# Altium PCB TempdevAmmy0820.PcbDoc (part 1 of 3) (continued)
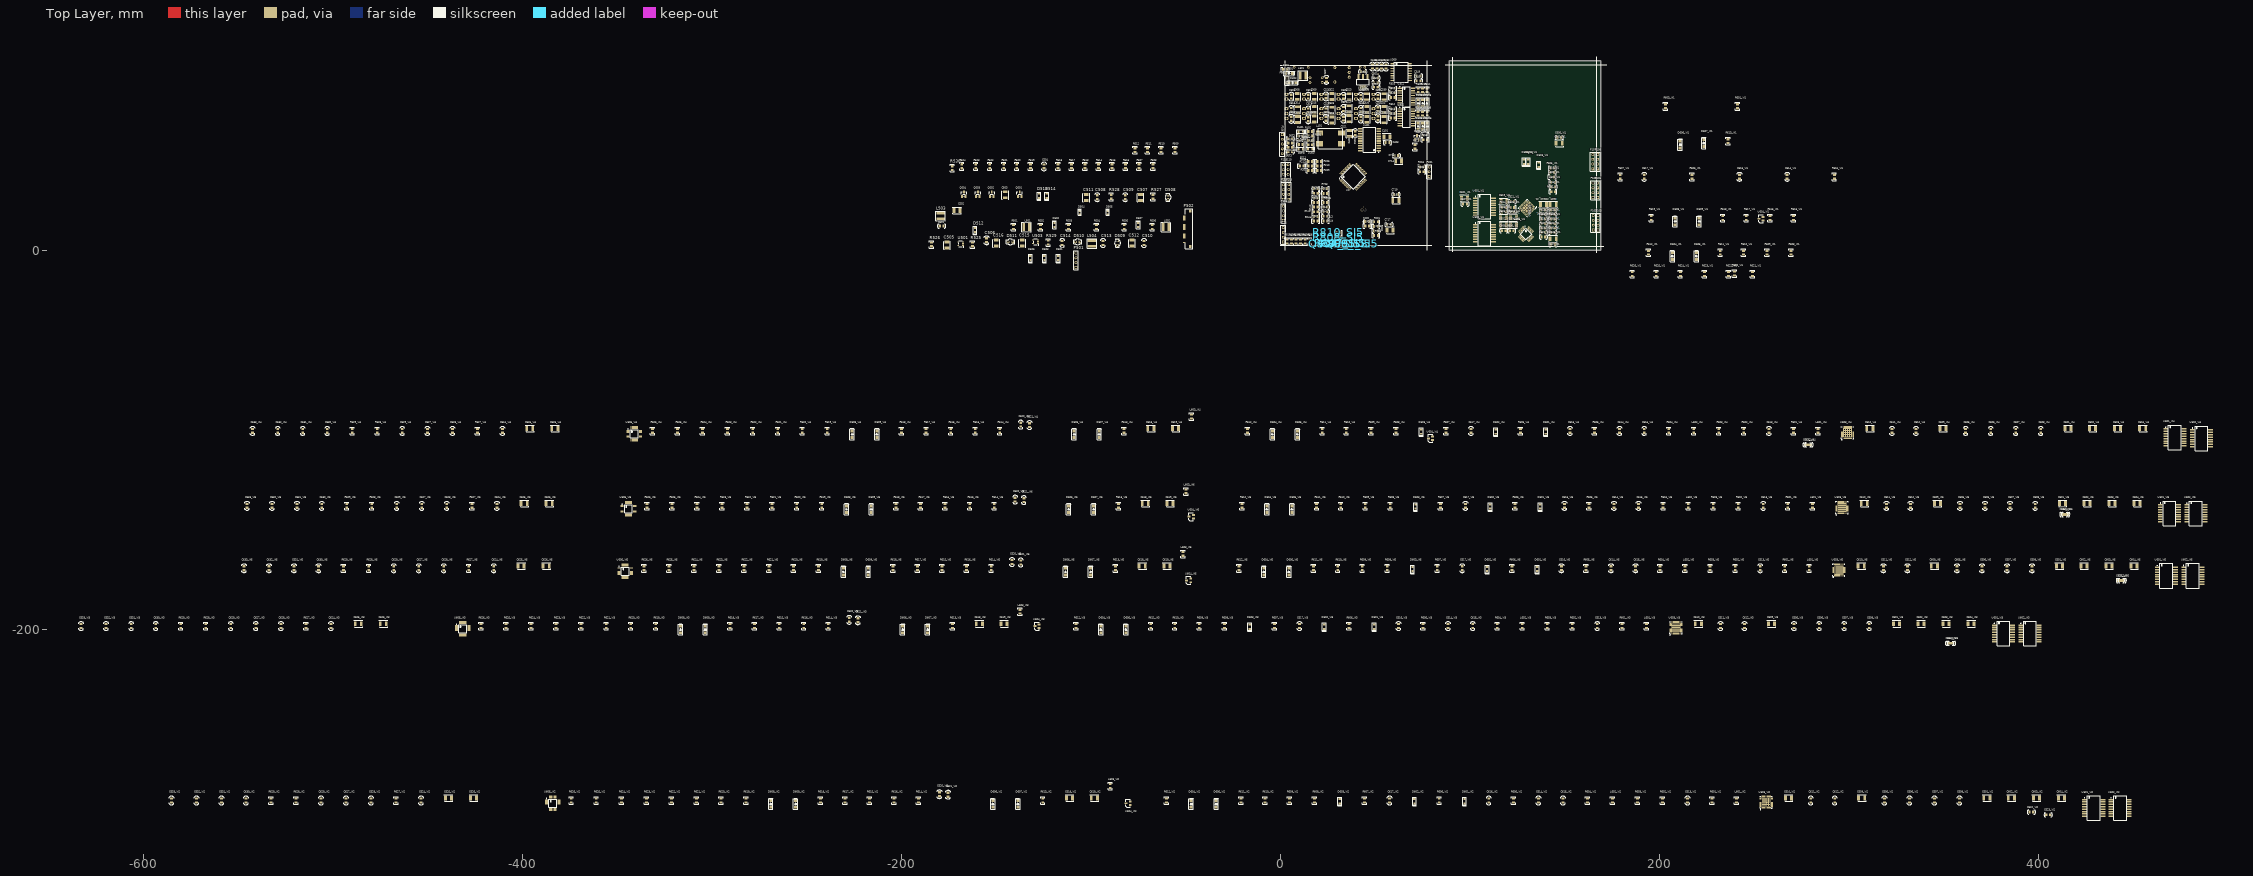
[diagram p0: Top Layer view]
## Components (designator, comment, footprint, x,y, rotation, side; value= is the part's Value field where it differs from the comment) (continued)
C609_VI1 "T494B476K025ATAUTO" CB 145.567,24.13 r270 top value=47uF (schematic designator C609)
C609_VI2 "T494B476K025ATAUTO" CB 305.181,-289.179 r90 top value=47uF (schematic designator C609)
C609_VI3 "T494B476K025ATAUTO" CB 257.556,-197.104 r90 top value=47uF (schematic designator C609)
C609_VI4 "T494B476K025ATAUTO" CB 348.082,-94.107 r90 top value=47uF (schematic designator C609)
C609_VI5 "T494B476K025ATAUTO" CB 343.535,-166.624 r90 top value=47uF (schematic designator C609)
C609_VI6 "T494B476K025ATAUTO" CB 345.145,-133.67 r90 top value=47uF (schematic designator C609)
C610_VI1 "T494B476K025ATAUTO" CB 140.462,24.13 r270 top value=47uF (schematic designator C610)
C610_VI2 "T494B476K025ATAUTO" CB 266.573,-289.179 r90 top value=47uF (schematic designator C610)
C610_VI3 "T494B476K025ATAUTO" CB 218.948,-197.104 r90 top value=47uF (schematic designator C610)
C610_VI4 "T494B476K025ATAUTO" CB 309.474,-94.107 r90 top value=47uF (schematic designator C610)
C610_VI5 "T494B476K025ATAUTO" CB 304.927,-166.624 r90 top value=47uF (schematic designator C610)
C610_VI6 "T494B476K025ATAUTO" CB 306.537,-133.67 r90 top value=47uF (schematic designator C610)
C611_VI1 "CC0805MRX7R9BB104" 0805C 138.811,21.209 r0 top value=0.1uF (schematic designator C611)
C611_VI2 "CC0805MRX7R9BB104" 0805C 279.908,-290.449 r90 top value=0.1uF (schematic designator C611)
C611_VI3 "CC0805MRX7R9BB104" 0805C 232.283,-198.374 r90 top value=0.1uF (schematic designator C611)
C611_VI4 "CC0805MRX7R9BB104" 0805C 322.809,-95.377 r90 top value=0.1uF (schematic designator C611)
C611_VI5 "CC0805MRX7R9BB104" 0805C 318.262,-167.894 r90 top value=0.1uF (schematic designator C611)
C611_VI6 "CC0805MRX7R9BB104" 0805C 319.872,-134.94 r90 top value=0.1uF (schematic designator C611)
C612_VI1 "CC0805MRX7R9BB104" 0805C 143.78,21.209 r180 top value=0.1uF (schematic designator C612)
C612_VI2 "CC0805MRX7R9BB104" 0805C 292.608,-290.449 r90 top value=0.1uF (schematic designator C612)
C612_VI3 "CC0805MRX7R9BB104" 0805C 244.983,-198.374 r90 top value=0.1uF (schematic designator C612)
C612_VI4 "CC0805MRX7R9BB104" 0805C 335.509,-95.377 r90 top value=0.1uF (schematic designator C612)
C612_VI5 "CC0805MRX7R9BB104" 0805C 330.962,-167.894 r90 top value=0.1uF (schematic designator C612)
C612_VI6 "CC0805MRX7R9BB104" 0805C 332.572,-134.94 r90 top value=0.1uF (schematic designator C612)
C613_VI1 "" 0805C 143.907,33.274 r180 top value=2.2uF (schematic designator C613)
C613_VI2 "" 0805C 214.884,-290.449 r90 top value=2.2uF (schematic designator C613)
C613_VI3 "" 0805C 167.259,-198.374 r90 top value=2.2uF (schematic designator C613)
C613_VI4 "" 0805C 257.785,-95.377 r90 top value=2.2uF (schematic designator C613)
C613_VI5 "" 0805C 253.238,-167.894 r90 top value=2.2uF (schematic designator C613)
C613_VI6 "" 0805C 254.848,-134.94 r90 top value=2.2uF (schematic designator C613)
C614_VI1 "" 0805C 267.462,38.719 r90 top value=22nF (schematic designator C614)
C614_VI2 "" 0805C 136.144,-290.449 r90 top value=22nF (schematic designator C614)
C614_VI3 "" 0805C 88.519,-198.374 r90 top value=22nF (schematic designator C614)
C614_VI4 "" 0805C 179.045,-95.377 r90 top value=22nF (schematic designator C614)
C614_VI5 "" 0805C 174.498,-167.894 r90 top value=22nF (schematic designator C614)
C614_VI6 "" 0805C 176.108,-134.94 r90 top value=22nF (schematic designator C614)
C615_VI1 "" 0805C 143.51,41.021 r180 top value=2.2uF (schematic designator C615)
C615_VI2 "" 0805C 149.098,-290.449 r90 top value=2.2uF (schematic designator C615)
C615_VI3 "" 0805C 101.473,-198.374 r90 top value=2.2uF (schematic designator C615)
C615_VI4 "" 0805C 191.999,-95.377 r90 top value=2.2uF (schematic designator C615)
C615_VI5 "" 0805C 187.452,-167.894 r90 top value=2.2uF (schematic designator C615)
C615_VI6 "" 0805C 189.062,-134.94 r90 top value=2.2uF (schematic designator C615)
C616_VI1 "" 0805C 242.316,38.719 r90 top value=NC (schematic designator C616)
C616_VI2 "" 0805C 109.982,-290.449 r90 top value=NC (schematic designator C616)
C616_VI3 "" 0805C 62.357,-198.374 r90 top value=NC (schematic designator C616)
C616_VI4 "" 0805C 152.883,-95.377 r90 top value=NC (schematic designator C616)
C616_VI5 "" 0805C 148.336,-167.894 r90 top value=NC (schematic designator C616)
C616_VI6 "" 0805C 149.946,-134.94 r90 top value=NC (schematic designator C616)
C617_VI1 "" 0805C 192.024,38.719 r90 top value=4nF (schematic designator C617)
C617_VI2 "" 0805C 57.658,-290.449 r90 top value=4nF (schematic designator C617)
C617_VI3 "" 0805C 10.033,-198.374 r90 top value=4nF (schematic designator C617)
C617_VI4 "" 0805C 100.559,-95.377 r90 top value=4nF (schematic designator C617)
C617_VI5 "" 0805C 96.012,-167.894 r90 top value=4nF (schematic designator C617)
C617_VI6 "" 0805C 97.622,-134.94 r90 top value=4nF (schematic designator C617)
C618_VI1 "T494B106M006AHAUTO" CB 124.612,17.145 r270 top value=10uF (schematic designator C618)
C618_VI2 "T494B106M006AHAUTO" CB -112.903,-289.179 r90 top value=10uF (schematic designator C618)
C618_VI3 "T494B106M006AHAUTO" CB -160.528,-197.104 r90 top value=10uF (schematic designator C618)
C618_VI4 "T494B106M006AHAUTO" CB -70.002,-94.107 r90 top value=10uF (schematic designator C618)
C618_VI5 "T494B106M006AHAUTO" CB -74.549,-166.624 r90 top value=10uF (schematic designator C618)
C618_VI6 "T494B106M006AHAUTO" CB -72.939,-133.67 r90 top value=10uF (schematic designator C618)
C619_VI1 "T494B106M006AHAUTO" CB 119.532,25.654 r270 top value=10uF (schematic designator C619)
C619_VI2 "T494B106M006AHAUTO" CB -99.822,-289.179 r90 top value=10uF (schematic designator C619)
C619_VI3 "T494B106M006AHAUTO" CB -147.447,-197.104 r90 top value=10uF (schematic designator C619)
C619_VI4 "T494B106M006AHAUTO" CB -56.921,-94.107 r90 top value=10uF (schematic designator C619)
C619_VI5 "T494B106M006AHAUTO" CB -61.468,-166.624 r90 top value=10uF (schematic designator C619)
C619_VI6 "T494B106M006AHAUTO" CB -59.858,-133.67 r90 top value=10uF (schematic designator C619)
C620_VI1 "CC0805MRX7R9BB104" 0805C 122.428,20.193 r180 top value=0.1uF (schematic designator C620)
C620_VI2 "CC0805MRX7R9BB104" 0805C -179.959,-287.147 r90 top value=0.1uF (schematic designator C620)
C620_VI3 "CC0805MRX7R9BB104" 0805C -227.584,-195.072 r90 top value=0.1uF (schematic designator C620)
C620_VI4 "CC0805MRX7R9BB104" 0805C -137.058,-92.075 r90 top value=0.1uF (schematic designator C620)
C620_VI5 "CC0805MRX7R9BB104" 0805C -141.605,-164.592 r90 top value=0.1uF (schematic designator C620)
C620_VI6 "CC0805MRX7R9BB104" 0805C -139.995,-131.638 r90 top value=0.1uF (schematic designator C620)
C621_VI1 "CC0805MRX7R9BB104" 0805C 122.412,25.654 r0 top value=0.1uF (schematic designator C621)
C621_VI2 "CC0805MRX7R9BB104" 0805C -175.387,-287.401 r90 top value=0.1uF (schematic designator C621)
C621_VI3 "CC0805MRX7R9BB104" 0805C -223.012,-195.326 r90 top value=0.1uF (schematic designator C621)
C621_VI4 "CC0805MRX7R9BB104" 0805C -132.486,-92.329 r90 top value=0.1uF (schematic designator C621)
C621_VI5 "CC0805MRX7R9BB104" 0805C -137.033,-164.846 r90 top value=0.1uF (schematic designator C621)
C621_VI6 "CC0805MRX7R9BB104" 0805C -135.423,-131.892 r90 top value=0.1uF (schematic designator C621)
C622_VI1 "" 0805C 143.78,11.557 r180 top value=NC (schematic designator C622)
C622_VI2 "" 0805C 396.367,-296.545 r180 top value=NC (schematic designator C622)
C622_VI3 "" 0805C 354.228,-207.454 r180 top value=NC (schematic designator C622)
C622_VI4 "" 0805C 279.019,-102.679 r180 top value=NC (schematic designator C622)
C622_VI5 "" 0805C 444.31,-174.299 r180 top value=NC (schematic designator C622)
C622_VI6 "" 0805C 414.487,-139.423 r180 top value=NC (schematic designator C622)
C623_VI1 "" 0805C 143.78,18.796 r180 top value=NC (schematic designator C623)
C623_VI2 "" 0805C 405.257,-297.942 r180 top value=NC (schematic designator C623)
C623_VI3 "" 0805C 353.212,-207.454 r180 top value=NC (schematic designator C623)
C623_VI4 "" 0805C 278.003,-102.679 r180 top value=NC (schematic designator C623)
C623_VI5 "" 0805C 443.294,-174.299 r180 top value=NC (schematic designator C623)
C623_VI6 "" 0805C 413.471,-139.423 r180 top value=NC (schematic designator C623)
C624_VI1 "" 0805C 138.811,16.383 r180 top value=300pF (schematic designator C624)
C624_VI2 "" 0805C -453.517,-290.449 r90 top value=300pF (schematic designator C624)
C624_VI3 "" 0805C -501.142,-198.374 r90 top value=300pF (schematic designator C624)
C624_VI4 "" 0805C -410.616,-95.377 r90 top value=300pF (schematic designator C624)
C624_VI5 "" 0805C -415.163,-167.894 r90 top value=300pF (schematic designator C624)
C624_VI6 "" 0805C -413.553,-134.94 r90 top value=300pF (schematic designator C624)
C625_VI1 "T494B106M006AHAUTO" CB 145.567,6.096 r270 top value=10uF (schematic designator C625)
C625_VI2 "T494B106M006AHAUTO" CB -440.69,-289.179 r90 top value=10uF (schematic designator C625)
C625_VI3 "T494B106M006AHAUTO" CB -488.315,-197.104 r90 top value=10uF (schematic designator C625)
C625_VI4 "T494B106M006AHAUTO" CB -397.789,-94.107 r90 top value=10uF (schematic designator C625)
C625_VI5 "T494B106M006AHAUTO" CB -402.336,-166.624 r90 top value=10uF (schematic designator C625)
C625_VI6 "T494B106M006AHAUTO" CB -400.726,-133.67 r90 top value=10uF (schematic designator C625)
C626_VI1 "T494B106M006AHAUTO" CB 116.205,17.145 r90 top value=10uF (schematic designator C626)
C626_VI2 "T494B106M006AHAUTO" CB -427.482,-289.179 r90 top value=10uF (schematic designator C626)
C626_VI3 "T494B106M006AHAUTO" CB -475.107,-197.104 r90 top value=10uF (schematic designator C626)
C626_VI4 "T494B106M006AHAUTO" CB -384.581,-94.107 r90 top value=10uF (schematic designator C626)
C626_VI5 "T494B106M006AHAUTO" CB -389.128,-166.624 r90 top value=10uF (schematic designator C626)
C626_VI6 "T494B106M006AHAUTO" CB -387.518,-133.67 r90 top value=10uF (schematic designator C626)
C627_VI1 "CC0805MRX7R9BB104" 0805C 143.891,2.921 r180 top value=0.1uF (schematic designator C627)
C627_VI2 "CC0805MRX7R9BB104" 0805C -493.141,-290.449 r90 top value=0.1uF (schematic designator C627)
C627_VI3 "CC0805MRX7R9BB104" 0805C -540.766,-198.374 r90 top value=0.1uF (schematic designator C627)
C627_VI4 "CC0805MRX7R9BB104" 0805C -450.24,-95.377 r90 top value=0.1uF (schematic designator C627)
C627_VI5 "CC0805MRX7R9BB104" 0805C -454.787,-167.894 r90 top value=0.1uF (schematic designator C627)
C627_VI6 "CC0805MRX7R9BB104" 0805C -453.177,-134.94 r90 top value=0.1uF (schematic designator C627)
C628_VI1 "CC0805MRX7R9BB104" 0805C 117.856,20.193 r0 top value=0.1uF (schematic designator C628)
C628_VI2 "CC0805MRX7R9BB104" 0805C -479.933,-290.449 r90 top value=0.1uF (schematic designator C628)
C628_VI3 "CC0805MRX7R9BB104" 0805C -527.558,-198.374 r90 top value=0.1uF (schematic designator C628)
C628_VI4 "CC0805MRX7R9BB104" 0805C -437.032,-95.377 r90 top value=0.1uF (schematic designator C628)
C628_VI5 "CC0805MRX7R9BB104" 0805C -441.579,-167.894 r90 top value=0.1uF (schematic designator C628)
C628_VI6 "CC0805MRX7R9BB104" 0805C -439.969,-134.94 r90 top value=0.1uF (schematic designator C628)
C629_VI1 "" 0805C 138.827,13.97 r180 top value=150pF (schematic designator C629)
C629_VI2 "" 0805C -506.349,-290.449 r90 top value=150pF (schematic designator C629)
C629_VI3 "" 0805C -553.974,-198.374 r90 top value=150pF (schematic designator C629)
C629_VI4 "" 0805C -463.448,-95.377 r90 top value=150pF (schematic designator C629)
C629_VI5 "" 0805C -467.995,-167.894 r90 top value=150pF (schematic designator C629)
C629_VI6 "" 0805C -466.385,-134.94 r90 top value=150pF (schematic designator C629)
C630_VI1 "" 0805C 143.764,13.97 r180 top value=1uF (schematic designator C630)
C630_VI2 "" 0805C -545.973,-290.449 r90 top value=1uF (schematic designator C630)
C630_VI3 "" 0805C -593.598,-198.374 r90 top value=1uF (schematic designator C630)
C630_VI4 "" 0805C -503.072,-95.377 r90 top value=1uF (schematic designator C630)
C630_VI5 "" 0805C -507.619,-167.894 r90 top value=1uF (schematic designator C630)
C630_VI6 "" 0805C -506.009,-134.94 r90 top value=1uF (schematic designator C630)
C631_VI1 "" 0805C 138.827,6.985 r180 top value=4700pF (schematic designator C631)
C631_VI2 "" 0805C -558.927,-290.449 r90 top value=4700pF (schematic designator C631)
C631_VI3 "" 0805C -606.552,-198.374 r90 top value=4700pF (schematic designator C631)
C631_VI4 "" 0805C -516.026,-95.377 r90 top value=4700pF (schematic designator C631)
C631_VI5 "" 0805C -520.573,-167.894 r90 top value=4700pF (schematic designator C631)
C631_VI6 "" 0805C -518.963,-134.94 r90 top value=4700pF (schematic designator C631)
C632_VI1 "" 0805C 143.764,9.271 r0 top value=1uF (schematic designator C632)
C632_VI2 "" 0805C -572.135,-290.449 r90 top value=1uF (schematic designator C632)
C632_VI3 "" 0805C -619.76,-198.374 r90 top value=1uF (schematic designator C632)
C632_VI4 "" 0805C -529.234,-95.377 r90 top value=1uF (schematic designator C632)
C632_VI5 "" 0805C -533.781,-167.894 r90 top value=1uF (schematic designator C632)
C632_VI6 "" 0805C -532.171,-134.94 r90 top value=1uF (schematic designator C632)
C633_VI1 "" 0805C 138.811,9.271 r0 top value=22nF (schematic designator C633)
C633_VI2 "" 0805C -585.343,-290.449 r90 top value=22nF (schematic designator C633)
C633_VI3 "" 0805C -632.968,-198.374 r90 top value=22nF (schematic designator C633)
C633_VI4 "" 0805C -542.442,-95.377 r90 top value=22nF (schematic designator C633)
C633_VI5 "" 0805C -546.989,-167.894 r90 top value=22nF (schematic designator C633)
C633_VI6 "" 0805C -545.379,-134.94 r90 top value=22nF (schematic designator C633)
C701 "T494B106M006AHAUTO" CB 72.771,42.291 r0 bottom value=10uF
C702 "T494B106M006AHAUTO" CB 72.771,39.878 r180 bottom value=10uF
C703 "CC0805MRX7R9BB104" 0805C 69.596,45.466 r90 bottom value=0.1uF
C704 "CC0805MRX7R9BB104" 0805C 69.596,36.83 r270 bottom value=0.1uF
C705 "CC0805MRX7R9BB103" 0805C 18.653,32.512 r0 top value=0.01uF
C706 "CC0805MRX7R9BB104" 0805C 23.749,27.559 r180 top value=0.1uF
C707 "CC0805MRX7R9BB103" 0805C 18.669,29.972 r0 top value=0.01uF
C708 "CC0805MRX7R9BB104" 0805C 50.435,10.16 r180 top value=0.1uF
C709 "CC0805MRX7R9BB104" 0805C 23.749,22.733 r0 top value=0.1uF
C710 "CC0805MRX7R9BB104" 0805C 18.669,22.733 r180 top value=0.1uF
C711 "CC0805MRX7R9BB103" 0805C 23.765,17.907 r180 top value=0.01uF
C712 "CC0805MRX7R9BB104" 0805C 23.749,20.32 r180 top value=0.1uF
C713 "CC0805MRX7R9BB103" 0805C 18.669,20.32 r180 top value=0.01uF
C714 "T494B106M006AHAUTO" CB 60.69,47.117 r90 top value=10uF
C715 "CC0805MRX7R9BB104" 0805C 61.198,49.911 r0 top value=0.1uF
C716 "T494B106M006AHAUTO" CB 56.261,10.541 r90 top value=10uF
C717 "CC0805MRX7R9BB104" 0805C 57.277,13.589 r0 top value=0.1uF
C718 "T494B106M006AHAUTO" CB 59.309,26.289 r90 top value=10uF
C719 "CC0805MRX7R9BB104" 0805C 60.96,29.464 r0 top value=0.1uF
C801_SI1 "CC0805MRX7R9BB103" 0805C 44.704,61.468 r0 bottom value=0.01uF (schematic designator C801)
C801_SI2 "CC0805MRX7R9BB103" 0805C 3.794,57.912 r0 bottom value=0.01uF (schematic designator C801)
C801_SI3 "CC0805MRX7R9BB103" 0805C 8.636,35.814 r0 bottom value=0.01uF (schematic designator C801)
C801_SI4 "CC0805MRX7R9BB103" 0805C 6.969,47.371 r0 bottom value=0.01uF (schematic designator C801)
C801_SI5 "CC0805MRX7R9BB103" 0805C 5.207,10.287 r0 bottom value=0.01uF (schematic designator C801)
C801_SI6 "CC0805MRX7R9BB103" 0805C 5.334,23.368 r0 bottom value=0.01uF (schematic designator C801)
C802_SI1 "CC0805MRX7R9BB103" 0805C 58.563,57.531 r180 bottom value=0.01uF (schematic designator C802)
C802_SI2 "CC0805MRX7R9BB103" 0805C 16.256,57.15 r180 bottom value=0.01uF (schematic designator C802)
C802_SI3 "CC0805MRX7R9BB103" 0805C 22.671,32.263 r180 bottom value=0.01uF (schematic designator C802)
C802_SI4 "CC0805MRX7R9BB103" 0805C 20.463,44.45 r180 bottom value=0.01uF (schematic designator C802)
C802_SI5 "CC0805MRX7R9BB103" 0805C 19.574,7.239 r180 bottom value=0.01uF (schematic designator C802)
C802_SI6 "CC0805MRX7R9BB103" 0805C 19.574,20.193 r180 bottom value=0.01uF (schematic designator C802)
C803_SI1 "CC0805MRX7R9BB103" 0805C 58.563,55.372 r0 bottom value=0.01uF (schematic designator C803)
C803_SI2 "CC0805MRX7R9BB103" 0805C 16.256,54.737 r0 bottom value=0.01uF (schematic designator C803)
C803_SI3 "CC0805MRX7R9BB103" 0805C 22.655,29.85 r0 bottom value=0.01uF (schematic designator C803)
C803_SI4 "CC0805MRX7R9BB103" 0805C 20.447,42.164 r0 bottom value=0.01uF (schematic designator C803)
C803_SI5 "CC0805MRX7R9BB103" 0805C 19.558,4.953 r0 bottom value=0.01uF (schematic designator C803)
C803_SI6 "CC0805MRX7R9BB103" 0805C 19.558,17.907 r0 bottom value=0.01uF (schematic designator C803)
C804_SI1 "CC0805MRX7R9BB104" 0805C 58.547,53.213 r0 bottom value=0.1uF (schematic designator C804)
C804_SI2 "CC0805MRX7R9BB104" 0805C 16.256,52.451 r0 bottom value=0.1uF (schematic designator C804)
C804_SI3 "CC0805MRX7R9BB104" 0805C 22.655,27.564 r0 bottom value=0.1uF (schematic designator C804)
C804_SI4 "CC0805MRX7R9BB104" 0805C 20.447,39.878 r0 bottom value=0.1uF (schematic designator C804)
C804_SI5 "CC0805MRX7R9BB104" 0805C 19.558,2.54 r0 bottom value=0.1uF (schematic designator C804)
C804_SI6 "CC0805MRX7R9BB104" 0805C 19.558,15.621 r0 bottom value=0.1uF (schematic designator C804)
C805_SI1 "CC0805MRX7R9BB103" 0805C 63.119,53.213 r0 bottom value=0.01uF (schematic designator C805)
C805_SI2 "CC0805MRX7R9BB103" 0805C 20.828,52.451 r0 bottom value=0.01uF (schematic designator C805)
C805_SI3 "CC0805MRX7R9BB103" 0805C 27.178,27.559 r0 bottom value=0.01uF (schematic designator C805)
C805_SI4 "CC0805MRX7R9BB103" 0805C 25.146,39.878 r0 bottom value=0.01uF (schematic designator C805)
C805_SI5 "CC0805MRX7R9BB103" 0805C 24.13,2.54 r0 bottom value=0.01uF (schematic designator C805)
C805_SI6 "CC0805MRX7R9BB103" 0805C 24.13,15.621 r0 bottom value=0.01uF (schematic designator C805)
D201 "BAT54WS" SOD323 69.993,14.859 r0 bottom
D202 "BAT54WS" SOD323 69.993,12.573 r0 bottom
D203 "BAT54WS" SOD323 69.993,10.287 r0 bottom
D204 "BAT54WS" SOD323 69.993,3.556 r0 bottom
D205 "BAT54WS" SOD323 69.993,8.001 r0 bottom
D206 "BAT54WS" SOD323 69.993,5.715 r0 bottom
D301 "1N5819HW" SOD123 4.572,93.345 r0 top
D302 "1N5819HW" SOD123 6.477,88.392 r0 top
D303 "BAT41" SOD123 72.644,65.405 r270 top
D304 "BAT41" SOD123 75.057,65.405 r270 top
D305 "BAT41" SOD123 77.47,65.405 r270 top
D306 "BAT41" SOD123 72.771,77.597 r270 top
D307 "BAT41" SOD123 75.057,77.597 r270 top
D308 "BAT41" SOD123 77.343,77.597 r270 top
D401 "SD15CT1" SOD323 10.668,62.611 r180 top
D402 "SD15CT1" SOD323 10.668,53.34 r0 top
D403 "SD15CT1" SOD323 15.705,53.34 r180 top
D501 "SD15CT1" SOD323 -117.198,-4.158 r90 top
D502 "BAT54WS" SOD323 -119.23,13.241 r270 top
D503 "SD15CT1" SOD323 -124.564,-4.158 r90 top
D504 "BZX584C3V3" SOD523 -105.895,19.845 r270 top
D505 "BZX584C3V3" SOD523 -91.163,19.845 r270 top
D506 "SD15CT1" SOD323 -131.93,-4.158 r90 top
D507 "BAT54WS" SOD323 -75.034,13.241 r270 top
D508 "150080GS75000" LED-3 -59.309,27.94 r90 top
D509 "150080GS75000" LED-3 -85.979,3.81 r90 top
D510 "150080GS75000" LED-3 -106.934,4.445 r0 top
D511 "150080GS75000" LED-3 -142.494,4.445 r0 top
D512 "BAT54WS" SOD323 -161.163,10.668 r90 top
D513 "BAT54WS" SOD323 -127.381,28.702 r90 top
D514 "BAT54WS" SOD323 -123.317,28.702 r90 top
D601_VI1 "SD15CT1" SOD323 130.81,46.693 r90 top (schematic designator D601)
D601_VI2 "SD15CT1" SOD323 97.155,-290.83 r90 top (schematic designator D601)
D601_VI3 "SD15CT1" SOD323 49.53,-198.755 r90 top (schematic designator D601)
D601_VI4 "SD15CT1" SOD323 140.056,-95.758 r90 top (schematic designator D601)
D601_VI5 "SD15CT1" SOD323 135.509,-168.275 r90 top (schematic designator D601)
D601_VI6 "SD15CT1" SOD323 137.119,-135.321 r90 top (schematic designator D601)
D602_VI1 "SD15CT1" SOD323 128.524,46.693 r90 top (schematic designator D602)
D602_VI2 "SD15CT1" SOD323 70.739,-290.83 r90 top (schematic designator D602)
D602_VI3 "SD15CT1" SOD323 23.114,-198.755 r90 top (schematic designator D602)
D602_VI4 "SD15CT1" SOD323 113.64,-95.758 r90 top (schematic designator D602)
D602_VI5 "SD15CT1" SOD323 109.093,-168.275 r90 top (schematic designator D602)
D602_VI6 "SD15CT1" SOD323 110.703,-135.321 r90 top (schematic designator D602)
D603_VI1 "SD15CT1" SOD323 136.398,45.042 r90 top (schematic designator D603)
D603_VI2 "SD15CT1" SOD323 31.369,-290.83 r90 top (schematic designator D603)
D603_VI3 "SD15CT1" SOD323 -16.256,-198.755 r90 top (schematic designator D603)
D603_VI4 "SD15CT1" SOD323 74.27,-95.758 r90 top (schematic designator D603)
D603_VI5 "SD15CT1" SOD323 69.723,-168.275 r90 top (schematic designator D603)
D603_VI6 "SD15CT1" SOD323 71.333,-135.321 r90 top (schematic designator D603)
D604_VI1 "1N5819HW" SOD123 206.883,-3.064 r90 top (schematic designator D604)
D604_VI2 "1N5819HW" SOD123 -47.117,-292.227 r90 top (schematic designator D604)
D604_VI3 "1N5819HW" SOD123 -94.742,-200.152 r90 top (schematic designator D604)
D604_VI4 "1N5819HW" SOD123 -4.216,-97.155 r90 top (schematic designator D604)
D604_VI5 "1N5819HW" SOD123 -8.763,-169.672 r90 top (schematic designator D604)
D604_VI6 "1N5819HW" SOD123 -7.153,-136.718 r90 top (schematic designator D604)
D605_VI1 "1N5819HW" SOD123 219.583,-3.064 r90 top (schematic designator D605)
D605_VI2 "1N5819HW" SOD123 -33.909,-292.227 r90 top (schematic designator D605)
D605_VI3 "1N5819HW" SOD123 -81.534,-200.152 r90 top (schematic designator D605)
D605_VI4 "1N5819HW" SOD123 8.992,-97.155 r90 top (schematic designator D605)
D605_VI5 "1N5819HW" SOD123 4.445,-169.672 r90 top (schematic designator D605)
D605_VI6 "1N5819HW" SOD123 6.055,-136.718 r90 top (schematic designator D605)
D606_VI1 "1N5819HW" SOD123 210.947,55.801 r90 top (schematic designator D606)
D606_VI2 "1N5819HW" SOD123 -151.765,-292.227 r90 top (schematic designator D606)
D606_VI3 "1N5819HW" SOD123 -199.39,-200.152 r90 top (schematic designator D606)
D606_VI4 "1N5819HW" SOD123 -108.864,-97.155 r90 top (schematic designator D606)
D606_VI5 "1N5819HW" SOD123 -113.411,-169.672 r90 top (schematic designator D606)
D606_VI6 "1N5819HW" SOD123 -111.801,-136.718 r90 top (schematic designator D606)
D607_VI1 "1N5819HW" SOD123 223.393,56.578 r90 top (schematic designator D607)
D607_VI2 "1N5819HW" SOD123 -138.557,-292.227 r90 top (schematic designator D607)
D607_VI3 "1N5819HW" SOD123 -186.182,-200.152 r90 top (schematic designator D607)
D607_VI4 "1N5819HW" SOD123 -95.656,-97.155 r90 top (schematic designator D607)
D607_VI5 "1N5819HW" SOD123 -100.203,-169.672 r90 top (schematic designator D607)
D607_VI6 "1N5819HW" SOD123 -98.593,-136.718 r90 top (schematic designator D607)
D608_VI1 "1N5819HW" SOD123 208.28,15.224 r90 top (schematic designator D608)
D608_VI2 "1N5819HW" SOD123 -268.986,-292.227 r90 top (schematic designator D608)
D608_VI3 "1N5819HW" SOD123 -316.611,-200.152 r90 top (schematic designator D608)
D608_VI4 "1N5819HW" SOD123 -226.085,-97.155 r90 top (schematic designator D608)
D608_VI5 "1N5819HW" SOD123 -230.632,-169.672 r90 top (schematic designator D608)
D608_VI6 "1N5819HW" SOD123 -229.022,-136.718 r90 top (schematic designator D608)
D609_VI1 "1N5819HW" SOD123 220.98,15.224 r90 top (schematic designator D609)
D609_VI2 "1N5819HW" SOD123 -255.905,-292.227 r90 top (schematic designator D609)
D609_VI3 "1N5819HW" SOD123 -303.53,-200.152 r90 top (schematic designator D609)
D609_VI4 "1N5819HW" SOD123 -213.004,-97.155 r90 top (schematic designator D609)
D609_VI5 "1N5819HW" SOD123 -217.551,-169.672 r90 top (schematic designator D609)
D609_VI6 "1N5819HW" SOD123 -215.941,-136.718 r90 top (schematic designator D609)
D801_SI1 "SD03C" SOD323 44.788,59.309 r180 bottom (schematic designator D801)
D801_SI2 "SD03C" SOD323 3.767,60.198 r180 bottom (schematic designator D801)
D801_SI3 "SD03C" SOD323 8.552,33.528 r180 bottom (schematic designator D801)
D801_SI4 "SD03C" SOD323 7.053,45.085 r180 bottom (schematic designator D801)
D801_SI5 "SD03C" SOD323 5.291,7.874 r180 bottom (schematic designator D801)
D801_SI6 "SD03C" SOD323 5.418,21.082 r180 bottom (schematic designator D801)
D802_SI1 "SD03C" SOD323 53.594,55.372 r180 bottom (schematic designator D802)
D802_SI2 "SD03C" SOD323 11.641,54.737 r180 bottom (schematic designator D802)
D802_SI3 "SD03C" SOD323 17.864,29.845 r180 bottom (schematic designator D802)
D802_SI4 "SD03C" SOD323 15.832,42.164 r180 bottom (schematic designator D802)
D802_SI5 "SD03C" SOD323 14.816,4.826 r180 bottom (schematic designator D802)
D802_SI6 "SD03C" SOD323 14.816,17.907 r180 bottom (schematic designator D802)
D803_SI1 "SD03C" SOD323 49.36,55.372 r0 bottom (schematic designator D803)
D803_SI2 "SD03C" SOD323 7.704,54.737 r0 bottom (schematic designator D803)
D803_SI3 "SD03C" SOD323 13.292,29.845 r0 bottom (schematic designator D803)
D803_SI4 "SD03C" SOD323 11.514,42.164 r0 bottom (schematic designator D803)
D803_SI5 "SD03C" SOD323 10.371,4.826 r0 bottom (schematic designator D803)
D803_SI6 "SD03C" SOD323 10.244,17.907 r0 bottom (schematic designator D803)
D804_SI1 "SD03C" SOD323 44.831,57.15 r0 bottom (schematic designator D804)
D804_SI2 "SD03C" SOD323 3.726,54.737 r0 bottom (schematic designator D804)
D804_SI3 "SD03C" SOD323 8.847,29.845 r0 bottom (schematic designator D804)
D804_SI4 "SD03C" SOD323 7.139,42.164 r0 bottom (schematic designator D804)
D804_SI5 "SD03C" SOD323 5.25,4.826 r0 bottom (schematic designator D804)
D804_SI6 "SD03C" SOD323 5.545,17.907 r0 bottom (schematic designator D804)
F301 "Fuse 1" 0805R 2.54,95.377 r0 top
L301 "VLS4012HBX-150M" VSL4012#1 11.938,92.202 r90 top value=15uH
L401 "Common Inductor" ACM1513-改版 32.169,61.849 r180 top
L501 "VLS4012HBX-150M" VSL4012#2 -133.962,12.225 r270 top value=47uH
L502 "VLS4012HBX-150M" VSL4012#2 -60.302,12.225 r270 top value=47uH
L503 "VLS4012HBX-150M" VSL4012#2 -179.324,18.01 r0 top value=10uH
L504 "VLS4012HBX-150M" VSL4012#2 -99.568,3.556 r0 top value=10uH
L601_VI1 "VLS4012HBX-150M" 0805R 143.875,35.814 r0 top value=47uH (schematic designator L601)
L601_VI2 "VLS4012HBX-150M" 0805R 240.792,-290.449 r90 top value=47uH (schematic designator L601)
L601_VI3 "VLS4012HBX-150M" 0805R 193.167,-198.374 r90 top value=47uH (schematic designator L601)
L601_VI4 "VLS4012HBX-150M" 0805R 283.693,-95.377 r90 top value=47uH (schematic designator L601)
L601_VI5 "VLS4012HBX-150M" 0805R 279.146,-167.894 r90 top value=47uH (schematic designator L601)
L601_VI6 "VLS4012HBX-150M" 0805R 280.756,-134.94 r90 top value=47uH (schematic designator L601)
L602_VI1 "VLS4012HBX-150M" 0805R 143.51,38.608 r0 top value=47uH (schematic designator L602)
L602_VI2 "VLS4012HBX-150M" 0805R 175.26,-290.449 r90 top value=47uH (schematic designator L602)
L602_VI3 "VLS4012HBX-150M" 0805R 127.635,-198.374 r90 top value=47uH (schematic designator L602)
L602_VI4 "VLS4012HBX-150M" 0805R 218.161,-95.377 r90 top value=47uH (schematic designator L602)
L602_VI5 "VLS4012HBX-150M" 0805R 213.614,-167.894 r90 top value=47uH (schematic designator L602)
L602_VI6 "VLS4012HBX-150M" 0805R 215.224,-134.94 r90 top value=47uH (schematic designator L602)
L603_VI1 "VLS4012HBX-150M" 0805R 122.412,22.606 r0 top value=47uH (schematic designator L603)
L603_VI2 "VLS4012HBX-150M" 0805R -89.789,-282.829 r90 top value=47uH (schematic designator L603)
L603_VI3 "VLS4012HBX-150M" 0805R -137.414,-190.754 r90 top value=47uH (schematic designator L603)
L603_VI4 "VLS4012HBX-150M" 0805R -46.888,-87.757 r90 top value=47uH (schematic designator L603)
L603_VI5 "VLS4012HBX-150M" 0805R -51.435,-160.274 r90 top value=47uH (schematic designator L603)
L603_VI6 "VLS4012HBX-150M" 0805R -49.825,-127.32 r90 top value=47uH (schematic designator L603)
L701 "VLS4012HBX-150M" 0805R 69.596,41.148 r270 bottom value=47uH
L702 "VLS4012HBX-150M" 0805R 75.946,41.021 r270 bottom value=47uH
MOV401 "" 0805R 5.223,56.515 r180 top
MOV402 "" 0805R 5.223,54.229 r180 top
NTC701 "NTCS0805E3103JHT" 0805R 23.765,25.146 r180 top
P002 "FPC60" FPC60 73.699,33.149 r270 bottom
P003 "FPC60" FPC60 96.735,5.643 r90 bottom
P101 "Header 2" HDR1X2 3.429,88.392 r90 top
P102 "Header 4" HDR1X4 165.1,10.668 r90 top
P103 "Header 4" HDR1X4 167.64,10.668 r90 top
P104 "Header 4" HDR1X4 164.973,27.813 r90 top
P105 "Header 4" HDR1X4 167.513,27.813 r90 top
P106 "Header 5" HDR1X5 1.016,61.087 r270 top
P107 "Header 4" HDR1X4 164.846,42.926 r90 top
P108 "Header 4" HDR1X4 167.513,42.926 r90 top
P110 "Header 4" HDR1X4 4.064,37.465 r90 top
P111 "Header 4" HDR1X4 1.651,37.465 r90 top
P112 "Header 4" HDR1X4 1.651,26.924 r90 top
P113 "Header 4" HDR1X4 4.445,26.924 r90 top
P114 "Header 4" HDR1X4 1.524,4.318 r90 top
P115 "Header 4" HDR1X4 1.651,15.621 r90 top
P201 "Header 3" HDR1X3 78.486,38.862 r90 top
P501 "Header 4" HDR1X4 -107.927,-9.111 r90 top
P502 "FPC30PIN" FPC30 -50.617,3.988 r90 top
PTC401 "NTCS0805E3103JHT" 0805R 10.668,58.039 r0 top
PTC402 "NTCS0805E3103JHT" 0805R 15.764,57.912 r180 top
Q301 "MMSS8050" SOT-23(SS8050) 71.125,58.293 r0 top
Q501 "MMSS8050" SOT-23 -138.557,28.448 r0 top
Q502 "MMSS8050" SOT-23 -153.289,28.448 r0 top
Q503 "MMSS8050" SOT-23 -160.655,28.448 r0 top
Q504 "MMSS8050" SOT-23 -168.021,28.448 r0 top
Q801_SI1 "MMSS8550" SOT-23 59.69,62.291 r270 bottom (schematic designator Q801)
Q801_SI2 "MMSS8550" SOT-23 17.272,61.463 r270 bottom (schematic designator Q801)
Q801_SI3 "MMSS8550" SOT-23 23.671,36.642 r270 bottom (schematic designator Q801)